# Allegro board LAY-27392_C.brd (continued)
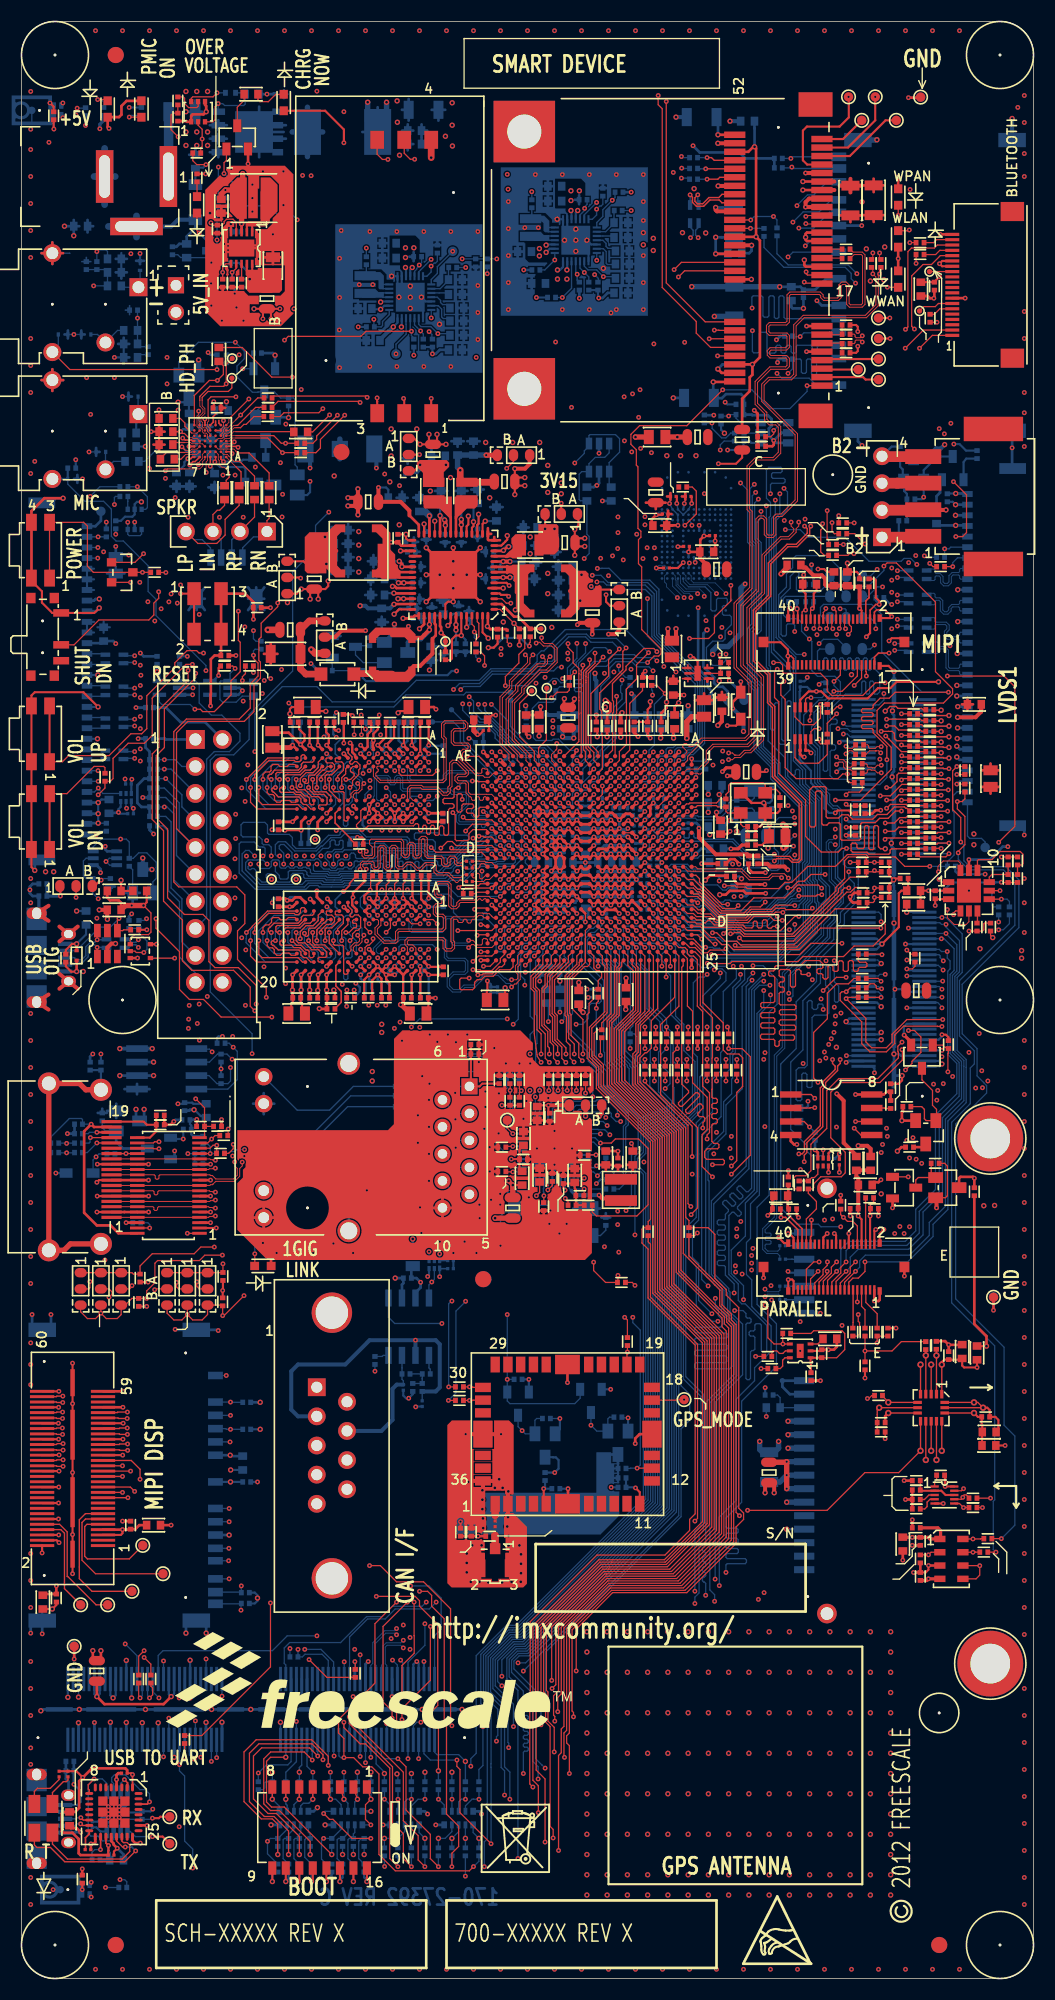
[diagram p0: board, top side]
## Routing (per net, layer and track width the routed paths; a pad name or vN(x,y) marks a point on that pad's centre or on a via; arc(x,y) is an arc through that point) (continued)
  L6_INT_2 w0.114: v1(43.48,95.25) 43.48,94.89 43.36,94.77 43.17,94.77 43.05,94.88 43.05,95.19 42.93,95.32 42.14,95.32 41.23,94.41 40.68,94.41 40.57,94.52 40.57,95.24 40.46,95.35 40.31,95.35 40.2,95.24 40.2,94.52 40.09,94.41 39.94,94.41 39.83,94.52 39.83,95.24 39.73,95.35 39.57,95.35 39.47,95.24 39.47,94.52 39.36,94.41 38.91,94.41 38.61,94.71 38.61,94.98 38.72,95.08 38.72,95.4 38.61,95.51 38.61,95.66 38.48,95.79 38.46,95.79 38.33,95.91 38.33,96.04 v1(38.33,96.04)
  BOTTOM w0.119: U4.A2 v1(38.33,96.04)
DRAM_D55: length 13.1
  TOP w0.119: U1.AC25 45.47,95.45 45.21,95.2 44.98,95.2 44.92,95.14 44.92,95.14 44.32,94.54 43.45,94.54 43.35,94.44 v1(42.95,94.44)
  L6_INT_2 w0.114: v1(42.95,94.44) 42.95,94.13 42.47,93.65 37.67,93.65 37.13,94.18 37.13,95.4 36.91,95.63 36.35,95.63 35.93,96.04 v1(35.93,96.04)
  BOTTOM w0.119: U4.C2 v1(35.93,96.04)
DRAM_D56: length 25.7
  TOP w0.119: U1.AB25 46.27,95.19 46,94.92 45.01,94.92 44.4,94.31 43.6,94.31 43.28,93.99 42.9,93.99 42.65,93.74 42.65,93.23 42.46,93.04 41.38,93.04 41.25,93.17 41.25,94.01 41.38,94.13 v1(42.14,94.13)
  L3_INT_1 w0.114: v1(42.14,94.13) 42.37,94.36 42.37,94.46 42.26,94.57 41.92,94.57 41.76,94.41 41.76,93.95 41.66,93.85 41.53,93.85 41.43,93.95 41.43,94.37 41.33,94.46 41.19,94.46 41.1,94.37 41.1,93.96 41,93.85 40.82,93.85 40.72,93.96 40.72,94.44 40.61,94.54 40.44,94.54 40.34,94.44 40.34,93.98 40.23,93.88 40.08,93.88 39.98,93.98 39.98,94.44 39.88,94.54 39.73,94.54 39.62,94.43 39.62,93.95 39.52,93.85 39.39,93.85 39.3,93.95 39.3,94.43 39.19,94.54 39.07,94.54 38.95,94.42 38.95,93.98 38.8,93.83 36.73,93.83 36.6,93.95 36.6,94.02 36.44,94.18 36.25,94.18 36.12,94.06 36.12,93.95 35.99,93.83 35.48,93.83 35.36,93.95 35.36,94.13 35.52,94.28 35.52,94.63 35.36,94.79 35.36,94.93 35.52,95.08 35.52,95.79 35.56,95.83 35.56,96.32 35.39,96.48 35.09,96.48 34.95,96.35 34.95,96.17 35.08,96.04 v1(35.13,96.04)
  BOTTOM w0.119: U4.E3 v1(35.13,96.04)
DRAM_D57: length 25.8
  TOP w0.119: v1(46.67,98.61) U1.AA21
  L3_INT_1 w0.114: v1(46.67,98.61) 46.76,98.52 46.76,98.3 46.66,98.2 46.41,98.2 46.25,98.04 46.25,97.65 46.01,97.41 45.72,97.41 45.71,97.4 45.71,97.4 45.48,97.17 45.48,97.17 45.45,97.14 45.45,96.85 45.23,96.62 45.19,96.62 45.19,96.62 44.94,96.62 44.94,96.62 44.91,96.62 44.78,96.75 43.84,96.75 43.71,96.62 43.71,96.39 43.84,96.27 44.04,96.27 44.17,96.14 44.17,95.96 44.04,95.83 43.78,95.83 43.61,96 43.61,96.06 43.48,96.19 43.41,96.19 43.4,96.2 43.08,96.2 43.07,96.19 43.06,96.19 42.89,96.01 42.74,96.01 42.65,96.09 42.33,96.09 42.25,96.01 42.23,96.01 42.11,95.88 42.11,95.55 42.27,95.39 42.27,95.24 42.11,95.08 42.11,94.92 42.01,94.82 41.6,94.82 41.52,94.89 41.52,95.19 41.46,95.26 41.28,95.26 41.18,95.17 41.18,94.93 41.09,94.83 41.08,94.83 41.05,94.79 40.9,94.79 40.81,94.88 40.81,95.17 40.72,95.26 40.54,95.26 40.45,95.17 40.45,94.9 40.34,94.79 40.18,94.79 40.08,94.9 40.08,95.17 39.98,95.26 39.8,95.26 39.71,95.17 39.71,94.9 39.6,94.79 39.45,94.79 39.34,94.9 38.88,94.9 38.73,94.75 38.73,94.21 38.58,94.06 37.37,94.06 37.14,94.28 37.14,94.58 36.86,94.86 36.54,94.86 36.32,95.07 36.32,96.24 36.12,96.44 35.74,96.44 35.53,96.65 35.53,97.3 35.44,97.4 35.19,97.4 34.98,97.61 34.98,98.78 34.91,98.84 34.91,98.84 34.72,99.03 34.72,99.82 34.5,100.04 v1(34.33,100.04)
  BOTTOM w0.119: U4.F8 v1(34.33,100.04)
DRAM_D58: length 25.8
  TOP w0.119: v1(47.42,95.35) 47.87,95.8 U1.Y25
  L3_INT_1 w0.114: v1(47.42,95.35) 46.51,94.44 45.92,94.44 44.11,92.62 39.88,92.62 39.11,91.85 38.51,91.85 38.39,91.96 36.79,91.96 36.03,91.2 33.88,91.2 v1(33.49,91.59)
  L6_INT_2 w0.114: v1(33.49,91.59) 33.49,91.96 34.39,92.86 34.39,93.4 34.16,93.62 33.88,93.62 33.78,93.52 33.78,93 33.67,92.89 33.52,92.89 33.41,93 33.41,93.52 33.3,93.62 33.15,93.62 33.04,93.52 33.04,92.87 32.93,92.76 32.78,92.76 32.67,92.87 32.67,93.52 32.33,93.85 32.33,94.85 v1(32.73,95.24)
  BOTTOM w0.119: U4.G2 v1(32.73,95.24)
DRAM_D59: length 25.9
  TOP w0.119: v1(47.47,97.81) U1.Y22
  BOTTOM w0.119: U4.H8 31.9,100.87 31.9,101.68 32.26,102.03 32.89,102.03 32.89,102.03 33.37,102.03 33.37,102.03 33.69,102.03 33.69,102.03 34.17,102.03 34.17,102.03 34.49,102.03 34.49,102.03 34.97,102.03 34.97,102.03 35.29,102.03 35.29,102.03 35.75,102.03 35.76,102.04 36.57,102.04 36.57,102.03 36.89,102.03 36.89,102.03 37.37,102.03 37.37,102.03 37.69,102.03 37.69,102.03 38.17,102.03 38.17,102.03 38.49,102.03 38.49,102.03 40.16,102.03 40.67,101.52 40.67,100.3 41.35,99.62 43.36,99.62 43.46,99.73 43.46,100.2 43.57,100.3 43.73,100.3 43.84,100.2 43.84,99.69 44.68,98.86 44.68,96.85 44.91,96.62 45.23,96.62 45.47,96.86 45.47,98.78 45.71,99.02 46.83,99.02 47.08,98.77 47.08,98.2 v1(47.47,97.81)
DRAM_D60: length 25.8
  TOP w0.119: v1(45.87,97.01) U1.AB23
  L3_INT_1 w0.114: v1(34.33,99.24) 34.33,98.96 34.45,98.83 34.49,98.83 34.72,98.6 34.72,98.13 34.65,98.06 34.34,98.06 34.21,97.93 34.21,97.51 34.38,97.34 34.54,97.34 34.72,97.16 34.72,96.68 34.54,96.51 34.54,96.38 34.72,96.2 34.72,95.88 34.54,95.71 34.54,95.58 34.72,95.4 34.72,94.06 35.18,93.6 42.37,93.6 42.47,93.7 42.47,93.91 42.61,94.06 42.72,94.06 42.82,93.95 42.82,93.7 42.93,93.6 43.21,93.6 43.31,93.7 43.31,93.93 43.21,94.03 43.21,94.14 43.32,94.26 43.54,94.26 43.64,94.36 43.64,94.67 43.74,94.77 43.92,94.77 44.02,94.67 44.02,94.41 44.12,94.31 44.32,94.31 44.42,94.41 44.42,94.98 44.03,95.37 44.03,95.52 44.14,95.63 44.29,95.63 44.78,95.14 44.93,95.14 45.03,95.24 45.03,95.39 44.43,95.99 44.43,96.17 44.63,96.36 44.8,96.36 44.9,96.26 44.9,96.06 45.03,95.94 45.36,95.94 45.48,96.05 45.48,96.41 45.87,96.79 v1(45.87,97.01)
  BOTTOM w0.119: U4.F7 v1(34.33,99.24)
DRAM_D61: length 25.7
  TOP w0.119: U1.AA23 v1(46.67,97.01)
  L3_INT_1 w0.114: v1(32.73,99.24) 33.06,99.24 33.48,98.83 33.48,96.75 33.4,96.67 33.2,96.67 32.97,96.44 32.51,96.44 32.34,96.27 32.34,95.91 32.06,95.63 31.77,95.63 31.54,95.4 31.54,95.08 31.77,94.86 32.92,94.86 33.12,94.66 33.12,94.21 33.76,93.57 34.32,93.57 34.8,93.09 43.97,93.09 46.67,95.79 v1(46.67,97.01)
  BOTTOM w0.119: U4.H7 v1(32.73,99.24)
DRAM_D62: length 25.8
  TOP w0.119: v1(47.47,97.01) U1.Y23
  L3_INT_1 w0.114: v1(34.29,91.59) 33.53,92.35 33.53,93.12 33.77,93.36 34.18,93.36 34.7,92.84 44.02,92.84 47,95.82 47,96.81 47.2,97.01 v1(47.47,97.01)
  L6_INT_2 w0.114: v1(33.53,96.04) 33.53,95.82 33.12,95.4 33.12,94.23 33.38,93.96 34.58,93.96 34.77,93.77 34.77,92.5 34.29,92.02 v1(34.29,91.59)
  BOTTOM w0.119: U4.F2 v1(33.53,96.04)
DRAM_D63: length 25.7
  TOP w0.119: v1(47.42,94.69) 47.94,94.69 48.67,95.42 U1.W25
  L3_INT_1 w0.114: v1(47.42,94.69) 46.84,94.11 46.84,93.46 45.73,92.35 40.03,92.35 39.27,91.59 38.43,91.59 38.28,91.75 36.88,91.75 36.12,90.98 32.82,90.98 32.69,91.11 v1(32.69,91.59)
  L6_INT_2 w0.114: v1(31.93,96.84) 31.52,96.43 31.52,94.21 32.05,93.68 32.05,92.68 32.69,92.04 v1(32.69,91.59)
  BOTTOM w0.119: U4.H3 v1(31.93,96.84)
DRAM_DQM0: length 26.2
  TOP w0.119: v1(35.13,110.45) 34.74,110.84 U3.E7 ; U1.AC3 v1(45.07,113.81)
  L3_INT_1 w0.114: v1(35.13,110.45) 35.13,110.75 35.26,110.87 35.43,110.87 35.56,110.74 35.56,110.11 35.46,110.01 34.04,110.01 33.94,110.11 33.94,112.39 34.07,112.52 34.29,112.52 34.42,112.65 34.42,113.03 34.29,113.16 34.09,113.16 33.95,113.3 33.95,115.44 34.16,115.66 34.5,115.66 34.72,115.88 34.72,116.33 34.39,116.66 34.39,117.3 34.53,117.44 43.35,117.44 44.68,116.1 44.68,115.61 44.66,115.59 44.66,115.27 44.68,115.25 44.68,114.2 v1(45.07,113.81)
DRAM_DQM1: length 16.6
  TOP w0.119: v1(45.07,111.41) U1.AC6 ; U3.D3 35.53,113.72 35.53,113.72 35.53,113.42 35.74,113.21 38.7,113.21 v1(39.13,113.65)
  L6_INT_2 w0.114: v1(45.07,111.41) 45.07,111.43 45.47,111.83 45.47,112.39 45.24,112.62 44.9,112.62 44.65,112.87 44.65,113.87 44.51,114.01 43.96,114.01 43.41,114.55 43.15,114.55 42.52,115.19 42.39,115.19 42.29,115.09 42.29,114.71 42.04,114.45 41.73,114.45 41.51,114.67 41.51,115.04 41.39,115.16 40.93,115.16 40.81,115.04 40.81,114.54 39.6,113.33 39.26,113.33 39.13,113.46 v1(39.13,113.65)
DRAM_DQM2: length 15.5
  TOP w0.119: v1(45.87,109.81) U1.AB8
  L3_INT_1 w0.114: v1(35.13,111.25) 35.52,111.63 35.99,111.63 36.12,111.76 36.12,112.01 35.99,112.14 35.59,112.14 35.46,112.27 35.46,112.45 35.59,112.57 37.54,112.57 37.67,112.45 37.67,112.23 37.79,112.1 40.17,112.1 40.72,111.55 42.17,111.55 42.72,111 44.45,111 44.68,110.77 44.68,110.45 44.91,110.22 45.45,110.22 v1(45.87,109.81)
  BOTTOM w0.119: v1(35.13,111.25) 35.53,110.85 U5.D3
DRAM_DQM3: length 21.5
  TOP w0.119: U1.AE10 43.87,107.98 43.74,108.1 42.49,108.1 42.11,107.73 42.11,107.19 41.99,107.06 40.94,107.06 40.82,107.19 40.82,109.49 40.69,109.62 40.69,109.62 v1(40.6,109.7)
  L6_INT_2 w0.114: v1(35.13,113.65) 35.13,113.28 35.29,113.13 36.02,113.13 36.13,113.03 36.13,112.88 36.01,112.76 35.34,112.76 35.29,112.71 35.29,112.47 35.36,112.4 36.02,112.4 36.13,112.29 36.13,112.04 36.02,111.94 35.69,111.94 35.54,111.79 35.54,111.05 35.74,110.85 36.13,110.85 36.33,110.64 36.33,110.26 36.56,110.03 36.57,110.03 36.89,110.03 37.12,109.81 37.12,109.49 37.12,109.48 37.12,109.47 37.34,109.25 38.68,109.25 38.79,109.13 38.79,108.78 38.91,108.66 39.14,108.66 39.25,108.78 39.25,108.89 39.37,109 39.64,109 39.75,109.12 39.75,109.35 39.64,109.46 39.37,109.46 39.25,109.58 39.25,109.93 39.38,110.06 40.47,110.06 40.6,109.93 v1(40.6,109.7)
  BOTTOM w0.119: v1(35.13,113.65) 34.73,114.05 U5.E7
DRAM_DQM4: length 23.5
  TOP w0.119: U1.AB18 v1(45.87,101.01) ; U2.E7 v1(35.13,96.84)
  L6_INT_2 w0.114: v1(45.87,101.01) 46.25,100.62 46.93,100.62 47.05,100.5 47.05,99.25 46.83,99.02 44.73,99.02 43.97,99.78 40.38,99.78 39.88,100.28 39.12,100.28 38.94,100.46 38.94,101.07 38.76,101.24 37.34,101.24 37.11,101.01 37.12,101 37.12,100.68 36.89,100.46 36.55,100.46 36.32,100.23 36.32,99.85 36.12,99.64 35.74,99.64 35.53,99.44 35.53,98.7 35.69,98.55 36.02,98.55 36.12,98.45 36.12,98.2 36.02,98.09 35.48,98.09 35.41,98.02 35.41,97.78 35.49,97.7 36.31,97.7 36.42,97.59 36.42,97.43 36.32,97.33 35.25,97.33 35.13,97.21 v1(35.13,96.84)
DRAM_DQM5: length 14.3
  TOP w0.119: v1(45.07,99.41) U1.AC20 ; U2.D3 v1(35.13,99.24)
  L3_INT_1 w0.114: v1(45.07,99.41) 44.73,99.41 44.53,99.61 43.83,99.61 43.71,99.49 43.71,98.89 43.59,98.77 41.86,98.77 41.72,98.91 41.59,98.91 41.46,98.78 41.46,98.44 41.23,98.22 40.94,98.22 40.93,98.2 40.61,98.2 40.49,98.32 40.25,98.32 40.12,98.2 39.88,98.2 39.75,98.32 39.51,98.32 39.38,98.2 39.14,98.2 39.01,98.32 38.77,98.32 38.65,98.2 38.3,98.2 37.82,97.71 35.31,97.71 35.2,97.81 35.2,98.86 35.13,98.93 v1(35.13,99.24)
DRAM_DQM6: length 12.9
  TOP w0.119: v1(42.49,95.71) 43,96.22 43.7,96.22 43.7,96.21 44.27,96.21 U1.AD24
  L6_INT_2 w0.114: v1(39.13,96.84) 38.91,96.84 38.79,96.72 38.79,95.83 38.91,95.71 40.82,95.71 40.94,95.58 40.94,95.12 41.07,95 41.38,95 42.09,95.71 v1(42.49,95.71)
  BOTTOM w0.119: U4.D3 35.53,97.07 35.74,97.28 38.69,97.28 v1(39.13,96.84)
DRAM_DQM7: length 25.8
  TOP w0.119: v1(47.47,98.61) U1.Y21
  L3_INT_1 w0.114: v1(35.13,100.04) 34.91,100.04 34.52,100.43 34.14,100.43 33.92,100.21 33.92,94.26 34.12,94.06 34.41,94.06 35.08,93.38 43.95,93.38 45.7,95.13 45.7,95.33 46.26,95.89 46.26,96.37 46.25,96.37 46.25,97.18 46.5,97.42 46.83,97.42 47.05,97.65 47.05,98.2 v1(47.47,98.61)
  BOTTOM w0.119: U4.E7 v1(35.13,100.04)
DRAM_RAS_B: length 58.1
  TOP w0.119: v1(45.87,103.41) U1.AB15 ; v1(30.54,98.42) 30.54,98.43 30.84,98.43 31.29,98.88 31.47,98.88 31.54,98.95 31.54,99.22 31.47,99.29 31.24,99.29 31.17,99.36 31.17,99.52 31.29,99.64 U2.J3 ; v1(30.54,112.83) 30.54,112.83 30.98,112.83 31.32,113.16 31.32,113.36 31.19,113.49 31.09,113.49 30.96,113.62 30.96,113.8 31.07,113.9 31.07,113.92 31.19,114.04 U3.J3
  L3_INT_1 w0.114: v1(45.87,103.41) 45.55,103.41 45.44,103.3 45.44,103.12 45.31,103 45.14,103 44.11,103 43.95,102.84 42.14,102.84 41.68,103.3 40.65,103.3 40.49,103.14 40.49,102.74 40.36,102.62 40.02,102.62 38.92,103.72 33.31,103.72 33.1,103.51 31.24,103.51 30.43,102.69 29.85,102.69 29.49,103.05 28.57,103.05 28.45,103.17 28.45,103.39 28.57,103.52 29.53,103.52 30.06,104.04 30.22,104.04 30.33,103.94 30.33,103.71 29.93,103.32 29.93,103.14 30.06,103.01 30.24,103.01 30.7,103.46 30.7,104.21 30.8,104.32 30.96,104.32 31.06,104.21 31.06,103.87 31.17,103.76 31.3,103.76 31.51,103.97 31.67,103.97 31.88,103.76 32,103.76 32.21,103.96 32.36,103.96 32.56,103.76 32.77,103.76 32.89,103.89 32.89,104.57 32.68,104.78 31.56,104.78 31.09,105.25 30.26,105.25 30.16,105.35 30.16,105.58 30.21,105.63 v1(30.54,105.63)
  L6_INT_2 w0.114: v1(30.54,98.42) 30.54,100.46 30.73,100.66 30.73,101.06 30.52,101.27 30.52,101.94 30.78,102.21 30.78,102.67 30.53,102.92 30.53,103.35 30.73,103.56 30.73,104.05 30.54,104.25 30.54,105.62 v1(30.54,105.63) 30.94,106.03 30.94,106.81 30.78,106.96 30.78,108.03 30.48,108.33 30.48,110.54 30.71,110.77 30.71,111.64 30.54,111.81 v1(30.54,112.83)
  BOTTOM w0.119: U4.J3 31.53,97.61 31.26,97.88 30.72,98.42 v1(30.54,98.42) ; v1(30.54,112.83) 30.72,112.83 31.26,112.28 31.26,112.28 31.53,112.02 U5.J3
DRAM_RESET_B: length 75
  TOP w0.119: v1(21.18,112.83) 23.2,114.84 U3.T2 ; U2.T2 23.17,100.44 21.74,99.01 21.74,98.98 v1(21.18,98.42) ; U1.Y6 v1(47.47,111.41)
  L6_INT_2 w0.114: v1(47.47,111.41) 47.47,111.66 47.85,112.05 47.85,113.97 47.52,114.3 47.03,114.3 45.19,116.14 42.67,116.14 v1(42.12,116.69) 39.63,116.69 38.66,117.67 37.07,117.67 36.07,118.67 34.65,118.67 34.04,119.27 33.42,119.27 32.03,117.88 28.47,117.88 27.06,116.46 24.13,116.46 21.7,114.03 21.7,114.03 21.47,113.8 21.47,113.8 21.18,113.51 v1(21.18,112.83) 21.18,111.63 20.6,111.05 20.6,99.01 v1(21.18,98.42)
  BOTTOM w0.119: v1(21.18,112.83) 21.18,111.89 23.02,110.04 U5.T2 ; v1(42.12,116.69) 42.31,116.69 R602.2 ; v1(21.18,98.42) 21.18,97.86 21.15,97.84 21.15,97.49 21.18,97.47 21.18,97.44 22.97,95.64 U4.T2
DRAM_SDBA0: length 63.5
  TOP w0.119: v1(45.07,103.41) U1.AC15 ; U2.M2 28.74,100.44 28.7,100.41 28.7,100.17 28.81,100.06 29.21,100.06 29.47,99.8 29.47,99.47 29.18,99.19 28.73,99.19 28.2,98.66 v1(28.2,98.42) ; U3.M2 28.74,114.84 28.67,114.77 28.67,114.48 28.77,114.38 29.27,114.38 29.47,114.18 29.47,114.02 29.47,114.01 29.47,113.87 29.18,113.59 28.73,113.59 28.2,113.06 v1(28.2,112.83)
  L3_INT_1 w0.114: v1(28.2,105.63) 27.82,105.25 27.55,105.25 27.42,105.11 27.42,104.68 26.44,103.71 26.44,103.52 26.63,103.33 26.78,103.33 28.2,104.74 28.2,105.06 28.4,105.26 28.74,105.26 28.76,105.24 29.14,105.24 29.36,105.47 29.36,105.77 29.37,105.77 29.37,105.79 29.6,106.01 30.79,106.01 31.06,105.74 31.42,105.74 31.49,105.67 31.49,105.28 31.65,105.13 31.8,105.13 31.95,105.28 32.18,105.28 32.46,105 32.64,105 32.79,105.15 32.79,105.51 32.89,105.61 33.07,105.61 33.17,105.51 33.17,104.03 33.27,103.94 33.49,103.94 33.58,104.03 33.58,104.67 33.71,104.8 33.86,104.8 33.99,104.67 33.99,104.08 34.1,103.96 34.27,103.96 34.39,104.08 34.39,104.72 34.48,104.81 34.66,104.81 34.75,104.72 34.75,104.06 34.88,103.94 35.03,103.94 35.15,104.06 35.15,104.69 35.28,104.81 35.43,104.81 35.53,104.71 35.53,104.11 35.71,103.94 36.16,103.94 36.36,104.14 36.49,104.14 36.69,103.94 36.91,103.94 37.03,104.06 37.29,104.06 37.41,103.94 37.62,103.94 37.69,104.01 37.7,104.01 37.8,104.11 37.94,104.11 38.12,103.94 38.39,103.94 38.6,104.14 38.8,104.14 39.92,103.02 40.11,103.02 40.27,103.19 40.27,103.42 40.41,103.56 41.76,103.56 42.25,103.06 43.73,103.06 44.08,103.41 44.27,103.41 44.45,103.23 44.6,103.23 44.78,103.41 v1(45.07,103.41)
  L6_INT_2 w0.114: v1(28.2,98.42) 28.2,99.18 28.07,99.31 28.07,99.56 28.24,99.74 28.24,99.95 27.9,100.3 27.9,101.87 27.91,101.88 28.2,102.16 28.2,102.17 28.2,102.18 28.2,102.86 28.04,103.02 28.04,104.13 28.2,104.29 28.2,105.62 v1(28.2,105.63) 28.2,106.59 28.36,106.75 28.36,108.21 28.04,108.53 28.04,109.98 28.47,110.41 28.47,110.95 28.2,111.23 v1(28.2,112.83)
  BOTTOM w0.119: v1(28.2,112.83) 28.2,111.83 28.37,111.66 28.63,111.66 28.93,111.35 29.29,111.35 29.57,111.07 29.57,110.48 U5.M2 ; U4.M2 29.57,96.08 29.57,96.67 29.29,96.95 28.67,96.95 28.2,97.43 v1(28.2,98.42)
DRAM_SDBA1: length 65
  TOP w0.119: v1(27.03,112.06) 27.03,111.93 27.53,111.43 28.47,111.43 28.77,111.12 28.77,110.52 28.67,110.42 28.07,110.42 27.97,110.32 27.97,110.15 28.07,110.04 U3.N8 ; v1(27.03,97.66) 27.03,97.53 27.53,97.03 28.3,97.03 28.74,96.59 28.74,96.19 28.64,96.09 28.02,96.09 27.92,95.99 27.92,95.75 28.02,95.64 U2.N8 ; v1(47.47,103.41) U1.Y15
  L3_INT_1 w0.114: v1(47.47,103.41) 47.05,103.82 46.51,103.82 46.28,104.05 46.28,104.72 45.48,105.52 45.48,106.01 45.26,106.22 44.78,106.22 44.37,106.63 42.27,106.63 41.71,107.19 37.29,107.19 37.07,107.4 33.71,107.4 33.47,107.64 32.68,107.64 31.29,109.03 30.57,109.03 29.44,110.16 27.48,110.16 25.4,108.08 25.4,106.58 25.47,106.51 25.47,105.41 25.08,105.02 25.08,104.7 25.36,104.42 26.59,104.42 v1(27.03,104.86)
  L6_INT_2 w0.114: v1(27.03,97.66) 27.03,98.62 27.15,98.74 27.15,100.03 26.56,100.62 26.56,101.84 26.95,102.24 26.95,103.38 27.03,103.45 v1(27.03,104.86) 27.03,106.07 26.97,106.12 26.97,108.28 26.67,108.58 26.67,109.04 27.03,109.4 27.03,110.44 27.28,110.69 27.28,111.28 27.03,111.53 v1(27.03,112.06)
  BOTTOM w0.119: v1(27.03,97.66) 27.03,98.59 27.26,98.81 27.59,98.81 28.07,99.29 28.58,99.29 28.72,99.44 28.72,100.05 U4.N8 ; U5.N8 28.78,114.39 28.78,113.84 28.63,113.69 28.07,113.69 27.59,113.21 27.26,113.21 27.03,112.99 v1(27.03,112.06)
DRAM_SDBA2: length 59.1
  TOP w0.119: v1(27.81,112.06) 27.81,112.66 27.81,113.15 28.36,113.7 28.47,113.7 28.81,114.04 U3.M3 ; v1(45.87,106.61) U1.AB12 ; U2.M3 28.81,99.64 28.47,99.3 28.44,99.3 27.81,98.67 27.81,98.59 v1(27.81,97.66)
  L6_INT_2 w0.114: v1(27.81,112.06) 27.81,111.18 27.89,111.09 27.89,110.31 27.81,110.23 27.81,108.55 27.5,108.24 27.5,107.93 27.73,107.7 27.84,107.7 28.1,107.44 28.1,106.89 27.81,106.6 v1(27.81,104.86) 27.81,102.99 27.43,102.61 27.43,102.01 27.66,101.77 27.66,101.45 27.53,101.32 27.53,100.6 27.66,100.47 27.66,99.34 27.91,99.09 27.91,98.69 27.81,98.59 27.81,98.57 27.81,98.57 v1(27.81,97.66)
  BOTTOM w0.119: v1(45.87,106.61) 45.8,106.67 45.59,106.67 45.47,106.55 45.47,106.35 45.34,106.22 44.72,106.22 44.52,106.42 44.01,106.42 43.81,106.22 43.18,106.22 43.09,106.13 43.09,105.89 42.98,105.79 42.84,105.79 42.74,105.89 42.74,106.1 42.61,106.22 42.08,106.22 41.94,106.09 41.64,105.78 41.6,105.78 41.12,105.31 41.04,105.23 40.99,105.18 40.8,105.18 40.37,104.75 39.88,104.75 39.32,104.19 39.09,104.19 38.94,104.34 38.94,104.8 38.8,104.94 38.66,104.94 38.53,104.81 38.53,104.27 38.46,104.19 38.23,104.19 38.15,104.26 38.15,104.82 38.04,104.93 37.89,104.93 37.78,104.82 37.78,104.3 37.67,104.19 37.52,104.19 37.41,104.3 37.41,105.02 37.31,105.11 37.12,105.11 37.03,105.02 37.03,104.3 36.92,104.19 36.77,104.19 36.66,104.3 36.66,105 36.57,105.09 36.38,105.09 36.29,105 36.29,104.3 36.18,104.19 36.02,104.19 35.91,104.3 35.91,105.05 35.82,105.14 35.63,105.14 35.54,105.05 35.54,104.3 35.43,104.19 35.24,104.19 35.11,104.31 35.11,105.59 35.02,105.68 34.81,105.68 34.72,105.59 34.72,105.16 34.59,105.03 34.44,105.03 34.32,105.16 34.32,105.59 34.23,105.68 34,105.68 33.91,105.59 33.91,105.29 33.78,105.16 33.1,105.16 32.99,105.05 32.77,105.05 32.52,104.8 31.77,104.8 31.49,104.52 31.49,104.31 31.36,104.19 29.95,104.19 29.8,104.03 29.02,104.03 28.88,104.18 27.61,104.18 27.48,104.3 27.48,104.74 27.61,104.86 v1(27.81,104.86) ; U5.M3 29.13,110.58 29.01,110.46 28.84,110.46 28.73,110.58 28.73,111.1 28.55,111.28 28.3,111.28 27.81,111.77 v1(27.81,112.06) ; U4.M3 29.13,96.16 29.03,96.06 28.77,96.06 28.67,96.16 28.67,96.58 28.47,96.78 28.3,96.78 27.81,97.28 v1(27.81,97.66)
DRAM_SDCKE0: length 56.8
  TOP w0.119: U2.K9 30.73,94.61 30.63,94.51 30.43,94.51 30.33,94.61 30.33,97.12 30.23,97.23 29.47,97.23 29.37,97.33 v1(29.37,97.66) ; U3.K9 30.73,109.02 30.63,108.92 30.47,108.92 30.37,109.02 30.37,111.57 30.27,111.67 29.47,111.67 29.37,111.77 v1(29.37,112.06) ; v1(47.47,107.41) U1.Y11
  L6_INT_2 w0.114: v1(29.37,97.66) 29.37,98.98 29.24,99.11 29.24,101.78 28.91,102.11 28.91,102.82 29.5,103.42 29.5,104.18 29.37,104.31 v1(29.37,104.86) 29.37,106.05 29.57,106.25 29.57,107.24 29.13,107.67 29.13,108.25 29.54,108.66 29.54,111.33 29.37,111.5 v1(29.37,112.06)
  BOTTOM w0.119: v1(29.37,112.06) 29.37,113.09 29.78,113.5 29.96,113.5 30.39,113.93 30.39,114.23 30.63,114.48 30.86,114.48 31.09,114.71 31.09,114.99 30.73,115.35 U5.K9 ; v1(29.37,104.86) 29.38,104.87 29.38,105.8 29.59,106.02 30.22,106.02 30.4,106.2 31.44,106.2 31.49,106.24 31.57,106.32 31.64,106.4 R635.1 31.65,106.73 32.1,106.73 32.19,106.82 34.14,106.82 34.62,106.34 37.77,106.34 38.31,105.8 38.89,105.8 39.06,105.98 40.8,105.98 41.71,106.89 43.01,106.89 43.94,107.82 46.04,107.82 46.28,108.05 46.28,108.37 46.51,108.6 46.83,108.6 47.06,108.37 47.06,108.03 47.3,107.78 47.3,107.58 v1(47.47,107.41) ; U4.K9 30.73,100.95 31.1,100.57 31.1,100.22 30.91,100.02 30.56,100.02 30.3,99.77 30.3,99.52 29.37,98.59 v1(29.37,97.66)
DRAM_SDCLK0: length 53
  TOP w0.094: R118.1 31.36,92.31 31.19,92.48 31.19,92.89 v1(31.32,93.01) ; v1(32.46,104.38) 32.4,104.38 32.13,104.65 32.13,104.83 32.21,104.9 32.87,104.9 32.97,104.8 32.97,104.55 33.2,104.32 33.53,104.32 33.77,104.56 33.77,106.31 33.87,106.4 34,106.4 34.1,106.31 34.1,104.52 34.32,104.29 34.65,104.29 34.88,104.52 34.88,106.31 34.97,106.4 35.11,106.4 35.2,106.31 35.2,105.66 35.2,104.63 35.43,104.39 35.92,104.39 36.33,104.8 36.67,104.8 37.21,104.27 37.59,104.27 38.1,104.77 38.69,104.77 38.82,104.65 38.82,104.11 38.94,103.99 39.09,103.84 40.12,103.84 40.58,103.38 40.67,103.38 40.92,103.12 41.02,103.12 41.27,103.38 41.38,103.38 41.53,103.23 SH21.2 ; v1(32.23,98.17) 32.23,98.04 32.05,97.87 32.05,97.54 31.74,97.23 31.45,97.23 31.24,97.03 31.24,96.73 U2.J7
  L6_INT_2 w0.097: v1(31.32,93.01) 31.31,93.01 31.09,93.23 31.09,93.57 30.66,94 30.66,96.32 31.62,97.28 31.77,97.28 32.05,97.57 32.05,97.87 32.23,98.04 v1(32.23,98.17) 32.23,98.55 32,98.78 32,98.98 32.21,99.19 32.21,99.64 31.95,99.9 31.78,99.9 31.67,100 31.67,100.13 31.78,100.23 32.08,100.23 32.31,100.46 32.31,100.78 32.07,101.02 31.75,101.02 31.67,101.09 31.67,101.22 31.75,101.3 32.12,101.3 32.33,101.5 32.33,101.86 32.12,102.06 31.93,102.06 31.8,102.19 31.8,102.8 31.9,102.9 32.86,102.9 34.13,104.17 37.76,104.17 38.02,104.43 38.02,104.85 37.82,105.06 33.82,105.06 32.62,103.86 32.36,103.86 32.28,103.94 32.28,104.18 32.46,104.36 v1(32.46,104.38)
  BOTTOM w0.094: U4.J7 31.52,99.64 31.22,99.34 31.22,99.09 31.27,99.03 31.85,99.03 32.05,98.83 32.05,98.35 v1(32.23,98.17)
DRAM_SDCLK0_B: length 52.9
  TOP w0.094: v1(31.88,104.36) 31.9,104.38 31.9,104.92 32.11,105.13 33.05,105.13 33.2,104.98 33.2,104.65 33.3,104.55 33.43,104.55 33.55,104.66 33.55,106.4 33.77,106.63 34.1,106.63 34.33,106.4 34.33,104.64 34.44,104.52 34.55,104.52 34.65,104.61 34.65,106.4 34.88,106.63 35.2,106.63 35.43,106.4 35.43,105.09 35.43,104.72 35.53,104.62 35.82,104.62 36.23,105.03 36.77,105.03 37.31,104.5 37.5,104.5 38.01,105 38.79,105 39.05,104.74 39.05,104.27 39.25,104.06 40.21,104.06 40.67,103.61 41.35,103.61 41.61,103.86 SH20.2 ; v1(30.63,93.01) 30.63,92.35 R118.2 ; v1(31.65,98.17) 31.65,98.04 31.83,97.87 31.83,97.64 31.65,97.46 31.35,97.46 31.01,97.12 31.01,96.73 U2.K7
  L6_INT_2 w0.097: v1(31.88,104.36) 32.05,104.18 32.05,103.84 32.26,103.63 32.72,103.63 33.91,104.83 37.72,104.83 37.8,104.76 37.8,104.52 37.67,104.39 34.04,104.39 32.77,103.12 31.8,103.12 31.57,102.89 31.57,102.1 31.83,101.84 32.03,101.84 32.1,101.77 32.1,101.59 32.03,101.52 31.66,101.52 31.45,101.31 31.45,101 31.66,100.79 31.98,100.79 32.08,100.69 32.08,100.55 31.99,100.46 31.68,100.46 31.45,100.22 31.45,99.91 31.68,99.67 31.86,99.67 31.99,99.54 31.99,99.28 31.78,99.07 31.78,98.69 31.65,98.56 v1(31.65,98.17) 31.65,98.04 31.83,97.87 31.83,97.66 31.67,97.51 31.52,97.51 30.43,96.42 30.43,93.9 30.86,93.47 30.86,93.23 30.64,93.01 v1(30.63,93.01)
  BOTTOM w0.094: U4.K7 30.73,99.64 30.99,99.39 30.99,98.99 31.17,98.81 31.76,98.81 31.83,98.74 31.83,98.35 v1(31.65,98.17)
DRAM_SDCLK1: length 53.7
  TOP w0.094: v1(32.46,106.07) 32.28,105.89 32.28,105.74 32.36,105.66 32.95,105.66 33.02,105.73 33.02,106.48 32.77,106.73 32.77,107.06 32.92,107.21 35.75,107.21 35.98,106.99 35.98,105.81 36.07,105.71 36.21,105.71 36.3,105.81 36.3,106.68 36.53,106.91 36.85,106.91 37.08,106.68 37.08,105.74 37.16,105.66 37.33,105.66 37.4,105.74 37.4,107.22 37.65,107.47 38.02,107.47 38.2,107.29 38.2,106.58 38.19,106.57 38.19,106.26 38.2,106.24 38.2,105.71 38.3,105.61 39.54,105.61 39.77,105.39 39.77,104.95 39.86,104.85 40.02,104.85 40.11,104.95 40.11,105.39 40.34,105.61 40.75,105.61 40.85,105.52 40.98,105.39 40.98,105.04 41.06,104.95 41.38,104.95 41.55,105.13 SH18.2 ; R43.1 32,118.11 v1(32,117.02) ; U3.J7 31.24,111.13 31.24,111.38 31.42,111.56 31.72,111.56 32.05,111.89 32.05,112.27 v1(32.23,112.45)
  L6_INT_2 w0.097: v1(32.46,106.07) 32.46,106.09 32.28,106.27 32.28,106.55 32.36,106.63 32.62,106.63 33.82,105.43 37.92,105.43 37.92,105.44 38.12,105.64 38.12,106.07 37.86,106.32 34.13,106.32 33.02,107.43 32.58,107.43 32.15,107.86 32.06,107.95 31.72,107.95 31.67,108 31.67,108.2 31.77,108.3 32.12,108.3 32.33,108.5 32.33,108.94 32.12,109.14 31.83,109.14 31.78,109.19 31.78,109.5 31.83,109.55 32.1,109.55 32.31,109.76 32.31,110.13 32.1,110.34 31.95,110.34 31.9,110.39 31.9,110.67 31.95,110.72 32.12,110.72 32.31,110.9 32.31,111.3 32.08,111.53 31.57,111.53 31.5,111.6 31.5,111.74 31.56,111.81 31.84,111.81 32.05,112.02 32.05,112.27 v1(32.23,112.45) 32.05,112.62 32.05,112.87 31.87,113.06 31.69,113.06 30.89,113.86 30.89,114.79 31.55,115.45 31.55,116.28 31.78,116.51 31.78,116.79 v1(32,117.02)
  BOTTOM w0.094: U5.J7 31.44,114.04 31.22,113.82 31.22,113.65 31.8,113.06 31.86,113.06 31.93,112.99 31.94,112.99 32.08,112.85 32.08,112.6 v1(32.23,112.45)
